# KiCad board cm4-baseboard.kicad_pcb (continued)
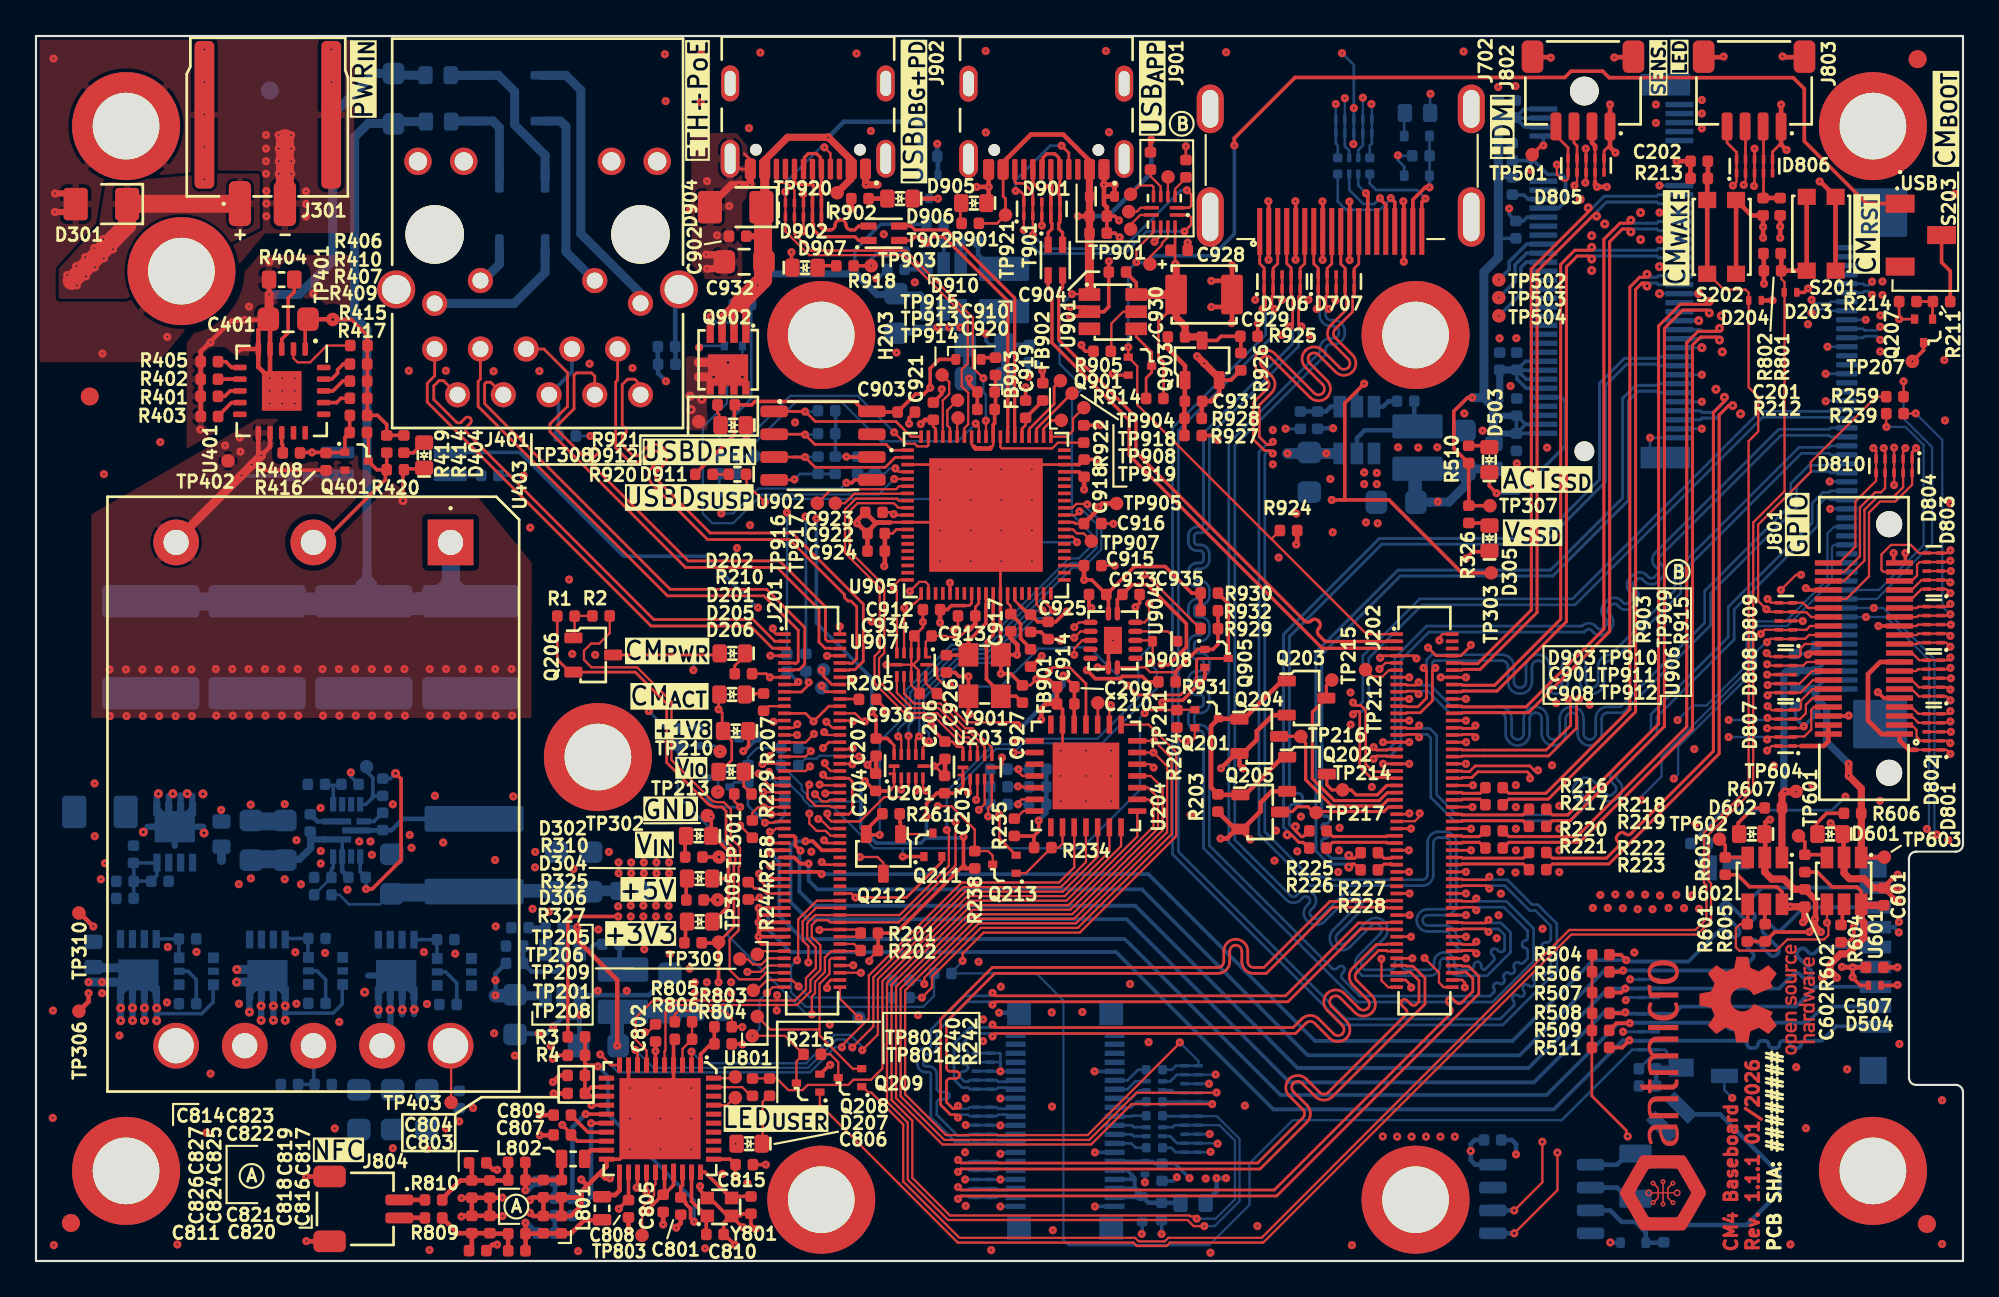
[diagram p0: board, top side]
## Routing (per net, layer and track width the routed paths; a pad name or vN(x,y) marks a point on that pad's centre or on a via; arc(x,y) is an arc through that point) (continued)
/Supply/FB_3V3: length 2.2
  Bottom w0.254: 28.29,18.5 27.36,18.5 ; U302.4 28.29,18.55
/Supply/FB_5V: length 2.6
  Bottom w0.15: R316.1 16.41,21.29
  Bottom w0.2: 16.41,21.29 16.41,21.76 16.5,21.85 U303.12
/Supply/FB_M2: length 2.3
  Bottom w0.254: 70.21,47.16 71.62,47.16 71.89,47.43 U301.4
/Supply/OUT_3V3: length 14.4
  Top w0.254: v1(32.27,11.95) 32.27,15.6 30.07,17.81 30.07,18.53
  Bottom w0.254: 29.29,18.53 30.07,18.53
  Bottom w0.6: 35.2,13.82 R323.1
  Bottom w0.75: v1(32.27,11.95) 32.27,13.51 L302.2 35.19,13.83
  vias: v1(30.06,18.54)
/Supply/OUT_5V: length 16.3
  Bottom w0.15: 19.75,20.45 19.1,19.8 17.38,19.8 16.85,20.32 16.41,20.32
  Bottom w0.6: R324.1 30.8,20.55
  Bottom w0.75: 24.37,20.55 30.8,20.55
  Bottom w1: 19.75,20.45 24.27,20.45
/Supply/OUT_M2: length 18.3
  In3.Cu w0.254: v1(72.02,46.22) 73.12,46.22 77.2,42.15 v1(77.84,42.15)
  Bottom w0.254: v1(72.02,46.22) 71.19,46.22
  Bottom w0.5: 76.58,42.12 77.41,42.12 77.42,42.13 78.45,42.13 79.38,43.05 79.38,43.97 80.94,43.97
  Bottom w0.75: 76.58,42.12 76.58,43.81 ; 79.38,43.97 76.76,43.97
/Supply/SW_3V3: length 1.2
  Bottom w0.254: 32.4,17.58 32.4,16.37
/Supply/SW_5V: length 6.8
  Bottom w0.254: U303.8 19.23,23.9 ; L303.1 20.37,24.54 19.74,23.92 19.25,23.92
/Supply/SW_M2: length 5.6
  Bottom w0.254: 76.75,46.12 73.78,46.12 73.35,45.68 U301.2 ; 76.53,47.72 76.53,46.55
/Supply/V_{BUS}: length 71.4
  Top w0.5: v2(36.79,49.08) 37.62,49.08 v2(37.62,49.07) ; 37.62,49.88 37.62,49.88 v2(36.79,49.88)
  In3.Cu w1.75: 12.12,15.88 17.18,15.88 25.24,23.94 32.99,23.94 35.27,26.22 35.27,46.78 37.92,49.42 39,49.42
  Bottom w0.2: 17,15.35 17,14.26 16.5,13.76 13.81,13.76
  Bottom w0.35: v2(11.85,13.82) 11.85,14.85 Q306.5 ; Q306.5 13.18,15.52 v2(13.18,13.36) ; Q306.5 12.5,15.5 v2(12.5,13.36) ; Q306.5 13.84,14.86 v2(13.84,13.36)
  Bottom w0.5: v2(11.15,16.18) 11.95,16.18 12.05,16.28 ; v2(11.14,15.48) 12.04,15.48
  vias: v2(12.5,14.16) v2(13.18,14.16) v2(13.84,14.16) v2(36.31,48.01) v2(36.38,47.26) v2(36.97,47.83) v2(38.42,49.88) v2(39.22,49.07)
/USB/AD_N: length 6.8
  Top w0.182: J901.A7 55.91,60.66 55.91,61.25 56.12,61.46 56.58,61.46 56.79,61.25 56.79,60.66 J901.B7 56.85,59.74 56.79,59.68 56.79,59.21 56.85,59.15 D901.6 D901.5 56.85,57.66 56.79,57.6 56.79,57.3 57,57.09 T901.4
/USB/AD_P: length 6.4
  Top w0.182: 56.39,59.69 56.35,59.74 J901.A6 ; 56.39,59.69 56.19,59.69 55.97,59.47 55.72,59.47 55.35,59.85 J901.B6 ; 56.39,59.69 56.41,59.68 56.41,59.21 56.35,59.15 D901.7 D901.4 56.35,57.66 56.41,57.6 56.41,57.3 56.2,57.09 T901.1
/USB/BDBUS0: length 18.9
  Top w0.127: U905.19 47.96,37.81 47.62,37.47 v1(47.62,37.42) 47.8,37.24 U907.5 ; U904.2 57.91,35.45 v1(57.65,35.19)
  In2.Cu w0.127: v1(57.65,35.19) 57.59,35.19 57.25,34.85 53.96,34.85 53.49,34.38 49.76,34.38 48.84,35.3 48.84,36.9 48.95,37.02 48.95,37.33 48.58,37.7 47.9,37.7 v1(47.62,37.42)
/USB/BDBUS1: length 16.3
  Top w0.127: U905.20 49.15,36.86 48.78,36.5 48.46,36.5 v1(48.21,36.25) 48.2,36.24 U907.4 ; U904.3 58,34.95 v1(57.65,34.6)
  In2.Cu w0.127: v1(57.65,34.6) 57.64,34.6 57.07,34.03 56.73,34.03 56.15,34.6 54.06,34.6 53.6,34.13 49.62,34.13 48.21,35.54 v1(48.21,36.25)
/USB/BDBUS2: length 16.2
  Top w0.127: U905.21 49.55,37.54 49.39,37.7 49.05,37.7 v1(48.52,37.17) ; v1(57.65,33.65) 57.65,34 58.1,34.45 U904.4
  In2.Cu w0.127: v1(57.65,33.65) 57.52,33.78 56.62,33.78 56.05,34.35 54.17,34.35 53.7,33.88 49.37,33.88 47.8,35.45 47.8,36.45 v1(48.52,37.17)
/USB/DD_N: length 9.1
  Top w0.182: J902.A7 42.68,60.68 42.68,61.27 42.89,61.48 43.34,61.48 43.55,61.27 43.55,60.68 J902.B7 43.61,59.75 43.55,59.69 43.55,59.19 43.61,59.13 D902.6 D902.5 43.61,57.61 43.55,57.54 43.55,57.41 43.72,57.24 44.1,57.24 arc(44.3,57.32) 44.38,57.51 arc(44.46,57.71) 44.65,57.79 44.7,57.79 arc(44.9,57.71) 44.98,57.51 arc(45.06,57.32) 45.25,57.24 45.46,57.24 45.67,57.45 T902.4
/USB/DD_P: length 8.5
  Top w0.182: J902.A6 43.11,59.75 ; 43.11,59.75 43.17,59.69 43.17,59.19 43.11,59.13 D902.7 D902.4 43.11,57.61 43.17,57.55 43.17,57.25 43.56,56.86 45.47,56.86 45.69,56.65 T902.1 ; 43.11,59.75 42.3,59.75 42.11,59.94 J902.B6
/USB/EECLK: length 8.5
  Top w0.15: U905.1 47.52,45.01 47.2,45.33 43.24,45.33 42.68,45.89 ; U902.2 42.68,45.89 ; 42.68,45.89 v1(42.7,45.88)
  Bottom w0.15: v1(42.7,45.88) 43.41,45.88
/USB/EECS: length 10
  Top w0.15: v1(42.7,47.15) 42.69,47.16 42.19,47.16 ; U905.76 48.6,45.76 47.75,46.6 43.27,46.6 42.71,47.16 42.19,47.16 ; 42.19,47.16 U902.1
  Bottom w0.15: v1(42.7,47.15) 43.39,47.15
/USB/EEDATA: length 9.2
  Top w0.15: U902.3 42.11,44.63 ; 42.11,44.63 42.11,44.62 v1(42.7,44.62) ; 42.11,44.63 42.7,44.63 43.27,44.06 47.16,44.06 47.71,44.61 U905.2
  Bottom w0.15: v1(42.7,44.62) 43.41,44.62
/USB/EN_FTDI: length 2.1
  Bottom w0.2: 50.41,57.55 50.41,55.41
/USB/FB_FTDI: length 2.3
  Bottom w0.254: U903.4 49.1,55.05 48.23,55.05 48.23,56
/USB/I2C_EN: length 19.6
  Top w0.127: U905.24 v1(50.75,37.65)
  Top w0.2: R931.2 61.72,32.15 61.42,32.45 60.32,32.45 60.2,32.33 58.82,32.33 v1(58.35,32.8)
  In2.Cu w0.127: v1(58.35,32.8) 58.35,35.25 58,35.6 57.4,35.6 57,35.2 53.95,35.2 53.39,34.64 50.41,34.64 49.7,35.35 49.7,36.6 v1(50.75,37.65)
/USB/OUT_FTDI: length 17.9
  Top w0.2: 45.41,55.24 46.37,55.24
  In2.Cu w0.2: v1(52.75,51.47) 52.75,51.57 49.08,55.25 v1(46.38,55.25)
  Bottom w0.2: 47.27,56 46.75,56 46.38,55.62 v1(46.38,55.25) ; v1(52.75,51.47) 52.75,51.07 52.97,50.85 53.75,50.85
  Bottom w0.254: 55.15,50.86 53.76,50.86
  Bottom w0.35: 53.75,51.72 L901.2 ; 53.75,51.72 53.75,50.85 ; 53.75,51.72 53.76,51.71 53.76,48.98
/USB/SW_FTDI: length 1.8
  Bottom w0.254: 52.31,56.58 52.31,55.87 53.1,55.08
/USB/USB_1V2: length 47.4
  Top w0.15: 58.19,40.93 57.7,40.93 57.62,41.01 U905.47 ; 54.67,36.34 54.35,36.66 U905.33 ; 51.6,36.38 51.82,36.38 51.95,36.51 U905.27 ; 47.01,41.56 47.52,41.56 v1(47.62,41.46) 47.67,41.41 U905.10 ; 49.83,46.69 49.83,46.32 49.95,46.2 U905.74
  Top w0.2: 55.09,35.92 54.67,36.34 ; 55.22,35.88 55.62,35.48 56.62,35.48 57.19,36.05 v1(57.25,36.05) ; 50.21,36.16 50.6,36.16 50.83,36.38 51.6,36.38
  Top w0.254: 58.19,40.93 59,41.74 v1(59,41.85) 59.2,42.05 TP905.1 ; 49.83,46.69 49.36,46.69 v1(49.12,46.46) ; v1(50.2,35.43) 50.2,36.15
  In2.Cu w0.254: v1(59,41.85) 57.15,40 57.15,36 57.25,35.9 57.25,37.12 57.12,37.25 51.97,37.25 ; v1(57.25,36.05) 56.78,35.58 50.35,35.58 v1(50.2,35.43) ; v1(49.12,46.46) 49.12,39.96 ; 49.12,39.96 49.89,39.96 51.97,37.88 51.97,37.25 ; 49.12,39.96 v1(47.62,41.46) ; 51.97,37.25 51.83,37.25
/USB/USB_3V3: length 102.4
  Top w0.127: v1(51.76,35.11) 51.29,34.64 50.6,34.64 50.54,34.7 C934.2 49.4,34.37 U907.1
  Top w0.15: U905.12 47.77,40.61 47.55,40.38 47.13,40.38 ; 52.16,35.81 52.16,36.31 52.35,36.5 U905.28 ; U905.54 57.67,43.81 ; U905.41 58.18,38.61
  Top w0.2: R930.1 64.17,37.07 62.7,38.55 61,38.55 59.45,37 C933.2 ; 38.77,47.49 38.77,45.86 36.61,43.7 ; D910.2 50.16,50.05 49.65,49.54 v1(49.65,48.47) 49.3,48.12 48.83,48.12 ; v1(45,44.65) 45.02,44.63 U902.6 ; C933.2 59.55,36.88 U904.1 ; C933.2 58.62,37.81 v1(58.2,37.81) ; 57.67,43.81 57.92,43.81 58.2,43.53 ; 38.81,47.53 39.74,47.53 39.92,47.71 45.46,47.71 46.01,47.16 ; 46.45,47.12 47.84,47.12 48.83,48.12
  Top w0.254: v1(55.85,33.59) 55.85,33.57 55.41,33.13 ; v1(55.87,49.42) 55.9,49.4 55.9,48.69 ; 47.13,40.38 47.13,38.61 v1(47.1,38.57) ; v1(51.76,35.11) 51.9,35.11 52.16,35.37 52.16,35.81 ; 58.2,43.53 58.2,42.81 ; v1(58.2,37.81) 58.19,37.82 58.19,38.6 ; R932.2 R930.1
  In3.Cu w0.2: 48.19,39.66 48.24,39.71 48.24,44.51 48.1,44.65 ; v1(47.1,38.57) 48.02,37.65 49.22,37.65 v1(51.76,35.11) 52.48,35.82 54.17,35.82 54.62,36.28 54.65,36.28 57.35,38.98 57.35,42.56 57.6,42.81 54.38,46.03 49.97,46.03 49.72,46.28
  In3.Cu w0.4: v1(47.1,38.57) 48.19,39.66 ; v1(55.85,33.59) 54.62,34.82 54.62,36.28 ; v1(55.87,49.42) 55.74,49.56 50.65,49.56 49.75,48.66 49.75,48.47 49.72,48.45 49.72,46.28 48.1,44.65 v1(45,44.65) ; 57.6,42.81 58.2,42.81 58.2,42.8 ; v1(58.2,37.81) 57.19,38.82
  Bottom w0.2: 44.42,44.66 44.99,44.66 v1(45,44.65) 45.54,44.65 ; 44.38,44.67 44.38,45.92 ; 44.4,47.19 44.4,45.96
  Bottom w0.254: v1(55.87,49.42) 55.87,49.6 55.58,49.89 55.15,49.89 55.1,49.84 v1(55.1,49.07)
  vias: v1(58.2,42.82)
/USB/USBA_CC1: length 19.9
  Top w0.127: D901.1 v1(54.85,57.24)
  Top w0.15: D901.1 D901.10 54.85,59.17 54.62,59.4 v1(54.4,59.4) ; J901.A5 57.35,61.51 v1(56.95,61.91) ; 63.38,58.07 64,58.07 64.15,57.91 64.15,57.53 v1(63.77,57.15)
  Bottom w0.15: v1(54.4,59.4) 54.4,60 56.31,61.91 v1(56.95,61.91) ; v1(63.77,57.15) 61.67,57.15 60.45,55.92 55.75,55.92 54.85,56.83 v1(54.85,57.24)
/USB/USBA_CC2: length 16.3
  Top w0.127: v1(55.35,56.95) D901.2
  Top w0.15: J901.B5 54.35,59.9 54.42,59.83 54.84,59.83 55.35,59.32 D901.9 55.35,58.02 ; U906.2 64.03,58.47 64.15,58.59 64.15,59.2 v1(63.91,59.44)
  Bottom w0.15: v1(55.35,56.95) 56.1,56.2 60.34,56.2 63.58,59.44 v1(63.91,59.44)
/USB/USBA_OUT_EN: length 4.1
  Top w0.15: 61.64,48.1 61.64,49.01 61.95,49.33 Q901.3 61.95,50.45 61.09,51.31 U901.4
/USB/USBD.D_N: length 15.8
  Top w0.182: T902.3 48.6,57.45 48.81,57.24 50.55,57.24 54.34,53.45 54.34,46.3 54.35,46.28 U905.63
/USB/USBD.D_P: length 15.8
  Top w0.182: T902.2 48.6,56.65 48.81,56.86 49.01,56.86 arc(49.15,56.8) 49.21,56.66 49.21,56.58 arc(49.27,56.43) 49.41,56.38 arc(49.55,56.43) 49.61,56.58 49.61,56.66 arc(49.67,56.8) 49.81,56.86 50.4,56.86 53.96,53.3 53.96,46.3 53.95,46.28 U905.64
/USB/USBD_CC1: length 26
  Top w0.127: 41.61,57.86 41.61,57.16 42.93,55.84 48.19,55.84 51.74,52.29 51.74,49.83 51.4,49.49 51.4,48.56 51.76,48.2 51.76,46.45 51.55,46.24 U905.70 ; J902.A5 44.11,61.48 v1(43.77,61.82) ; D902.1 D902.10 41.61,59.32 41.6,59.34
  Bottom w0.127: v1(43.77,61.82) 43.57,61.82 41.6,59.85 v1(41.6,59.35)
/USB/USBD_CC2: length 23
  Top w0.127: U905.67 52.75,46.64 v1(52.74,46.65) ; D902.9 42.11,59.44 41.7,59.85 41.2,59.85 41.11,59.94 J902.B5 ; 42.11,57.86 42.11,57.01 43.03,56.09 48.29,56.09 52.02,52.36 52.02,49.59 v1(52.61,49.01) ; D902.2 42.11,58.77
  Bottom w0.127: v1(52.74,46.65) 52.74,48.09 52.61,48.22 v1(52.61,49.01)
/USB/USBD_IN_EN: length 22.8
  Top w0.127: U905.5 v1(47.65,43.41)
  Bottom w0.127: v1(47.65,43.41) 46.79,42.55 40.3,42.55 38.71,40.96 37.55,40.96 37.03,41.48 37.03,46.29 38.37,47.63 38.37,49.05 39.22,49.91 Q904.1
/USB/USBD_SVBUS: length 19
  Top w0.127: v1(52.18,46.48) 52.35,46.31 U905.68
  Bottom w0.127: v1(52.18,46.48) 51.2,45.5 46.92,45.5 44.64,47.78 42.27,47.78 39.88,45.38 TP902.1
  Bottom w0.15: 39.86,44.66 38.91,44.66 38.91,42.73
/USB/USBD_VBUS: length 56.6
  Top w0.35: 39.44,56.89 40.34,56.89 40.37,56.86
  Top w0.4: 39.41,52.23 39.41,53.52 39.5,53.6 ; 39.41,52.23 Q902.1 ; 39.41,52.23 39.41,52.61 38.86,53.17 38.75,53.06 38.75,51.67 ; TP920.1 45.26,60.08 J902.A4 45.26,61.11 44,62.38 41.73,62.38 40.47,61.11 J902.A9 ; 38.86,53.18 38.09,52.41 Q902.3
  Top w0.5: J902.A9 40.47,59.02
  Top w1: D904.1 40.37,58.41 40.37,55.47 ; 40.37,55.47 40.44,55.47 40.45,55.48 ; 40.37,55.47 40.37,54.47 v1(40.06,54.16) 39.07,53.17
  Bottom w0.15: v1(40.06,54.16) 39.71,53.81 39.71,47.86 37.94,46.09 R916.1
  Bottom w0.2: 45.61,54.74 45.46,54.89 45.46,56.11 46.9,57.55 49.44,57.55
  Bottom w0.254: R933.1 44.86,63.25 v1(43.98,62.37)
  Bottom w0.35: U903.3 49.45,53.3 49.1,53.65 47.75,53.65
  Bottom w0.4: v1(40.06,54.16) 40.7,54.8 45.55,54.8 46.7,53.65 47.75,53.65
/USB/VREGIN: length 3.6
  Top w0.15: 54.12,35.92 54.12,36.35 53.95,36.53 U905.32
  Top w0.2: 55.22,34 54.67,34.56 54.67,35.37 54.12,35.92
V_{IO}: length 52.3
  Top w0.127: 37.88,26.14 37.85,26.12 TP213.1 ; v1(42.89,16.57) 42.89,17.48 42.57,17.79 42.57,18.86 43.31,19.6 J201.78 ; v1(46.27,16.65) 46.27,16.75 46.75,17.23 ; U201.12 U201.1 47.65,26.36 47.49,26.21
  Top w0.15: 51.25,26.12 51.47,26.35 U203.1 U203.12 ; 51.09,25.97 50.45,25.97
  Top w0.2: v1(46.02,26.64) 46.57,26.09 ; 51.33,21.79 47.74,18.2 46.75,18.2 46.75,17.23 ; 51.33,21.79 51.6,21.79 ; 51.33,21.79 51.5,21.96 ; 46.62,26.09 47.38,26.09 47.49,26.21 ; 50.02,25.97 50.45,25.97 ; 50.02,25.97 49.45,25.4 v1(49.45,24.68) ; 50.02,25.97 51.09,25.97 51.25,26.12 ; 51.6,21.79 52.12,21.79 51.67,21.79 51.5,21.96 ; 51.6,21.79 51.6,21.86 51.5,21.96 ; 51.5,21.96 v1(51.5,23.55)
  In2.Cu w0.127: v1(42.89,16.57) 43.14,16.83 46.09,16.83 v1(46.27,16.65)
  Bottom w0.127: 49.16,23.23 49.45,23.51 51.46,23.51 v1(51.5,23.55) ; 41.36,27.5 41.36,28.47 40.04,28.47 39.53,27.97 R263.2 38.74,27.53 Q214.1 ; 41.43,27.5 42.52,26.41 42.52,26.15 42.84,25.84 42.84,25.74 43.08,25.5 45.75,25.5 45.8,25.45 ; 37.83,26.11 37.83,26.1
  Bottom w0.15: v1(37.88,26.1) 37.88,26.66 Q214.1
  Bottom w0.2: v1(46.02,26.64) 45.8,26.41 45.8,25.2 ; 49.45,23.51 v1(49.45,24.68) ; v1(51.5,23.55) 51.43,23.48 49.41,23.48 49.14,23.2 46.66,23.2 45.8,24.06 45.8,25.2 ; 45.8,25.2 45.8,25.45
Net-(BT801-+): length 15.2
  Bottom w0.254: BT801.1 91.72,8.14 93.51,8.14 96.81,4.84 96.81,3.82 94.99,2 R811.1
Net-(C403-Pad1): length 23
  In2.Cu w0.2: J401.19 35.7,52.68 34.88,51.86 20.59,51.86 20,52.44 J401.20
  Bottom w0.254: 35.51,49.78 35.51,50.75 ; 35.49,50.76 35.49,53.73
Net-(C811-Pad2): length 6
  Top w0.254: C826.2 C824.2 25.23,1.52 C821.2 ; C826.2 24.2,0.73 C811.2 ; C826.2 23.4,1.54 22.56,2.39 R809.1 ; 26.22,1.52 26.22,0.57
Net-(C812-Pad2): length 1
  Bottom w0.254: 28.81,1.55 28.81,2.52
Net-(C813-Pad2): length 0.9
  Bottom w0.254: 28.82,3.47 28.82,4.42
Net-(C814-Pad2): length 6.2
  Top w0.254: C827.1 23.57,4.47 22.55,3.46 R810.1 ; C827.1 24.2,5.29 C814.2 ; C827.1 C825.1 26.2,4.47 C822.2 26.22,5.47 C823.1
Net-(C816-Pad2): length 7
  Top w0.254: v1(27.17,2.12) 27.18,2.12 27.18,1.52 ; 28.17,1.53 29.71,1.53 30.44,2.26 31.41,2.26 L801.2 ; 27.18,1.52 28.16,1.52 ; 27.18,1.52 27.18,0.57
  Bottom w0.254: v1(27.17,2.12) 27.27,2.12 27.84,1.55
Net-(C817-Pad1): length 5.7
  Top w0.254: 27.18,5.49 27.18,4.49 ; 27.18,4.49 28.17,4.49 ; 27.18,4.49 27.18,3.93 v1(27.17,3.92) ; 28.17,4.5 29.17,4.5 29.17,5.75
  Bottom w0.254: v1(27.17,3.92) 27.34,3.92 27.84,4.42
Net-(D201-C): length 1
  Top w0.15: 39.4,31.45 39.92,31.45 39.98,31.51 40.4,31.51
Net-(D202-A): length 6
  Top w0.15: D202.2 37.88,33.64 Q206.3
Net-(D202-C): length 1.4
  Top w0.15: R210.2 38.8,33.05 39.37,33.62 D202.1
Net-(D203-A): length 106.5
  Top w0.127: 98.3,54.95 97.09,54.95 ; Q208.1 43.52,8.68 47.9,4.31 47.9,4.31 51.18,1.03 51.19,1.02 60.94,1.02 61.12,0.83 62.78,0.83 62.96,1.02 68.09,1.02 68.09,1.03 68.15,1.03 85.25,18.12 92.25,18.12 93.01,18.88 93.01,20.96 93.01,20.96 92.88,21.09 92.88,23.67 95.35,26.15 95.35,40.99 97.09,42.73 97.09,54.34 96.91,54.52 96.91,54.97
  Top w0.254: 96.91,55.9 96.91,54.97 S201.4 S201.3
Net-(D204-A): length 104.9
  Top w0.127: 45.91,9.67 46.23,9.35 46.38,9.35 48.15,7.58 48.15,4.41 51.28,1.28 61.03,1.28 61.23,1.09 62.67,1.09 62.87,1.28 68.05,1.28 85.14,18.38 92.14,18.38 92.76,18.99 92.76,20.85 92.62,20.99 92.62,23.78 95.1,26.25 95.1,45.52 95.63,46.05 95.63,47.97 95.1,48.5 95.1,53.75 94.92,53.92 93.72,53.92 92.85,54.8
  Top w0.254: S202.4 S202.3 92.8,60.1 ; 92.83,60.1 92.83,61.05
Net-(D205-C): length 2.2
  Top w0.2: 39.58,29.4 39.58,28.6 v1(39.27,28.3)
  Bottom w0.2: v1(39.27,28.3) 39.35,28.3 40.01,28.96
Net-(D206-C): length 1.3
  Top w0.15: R229.2 39.3,26.35 39.3,27.07
Net-(D207-C): length 2.8
  Top w0.127: 40.35,6.51 40.35,8.84 40.67,9.16
Net-(D301-C): length 36.9
  Top w0.254: v1(2.92,14.87) 2.92,14.4 TP306.1
  Top w1: 4.36,56.8 1.98,54.41 ; 4.36,56.8 2.6,55.03 ; 4.36,56.8 5.06,57.49 D301.1 5.08,58.69 11.31,58.69
  In3.Cu w1: 2.45,54.92 2.47,54.92 3.84,56.29
  Bottom w0.2: 6.76,13.73 9.2,13.73 9.84,14.36 9.84,15.33
  Bottom w0.35: v2(4.7,13.34) 4.7,14.89 Q304.5 ; Q304.5 6.7,14.86 6.7,14.49 6.7,14.49 6.7,14.04 v2(6.7,14.04) v2(6.7,13.34) ; Q304.5 5.36,15.55 v2(5.36,13.35) ; Q304.5 6.02,15.54 v2(6.02,13.35)
  Bottom w0.5: 4.88,15.47 3.67,15.47 v1(3.67,15.48) v1(2.92,15.48) ; 4.88,16.28 3.67,16.28 3.67,16.27 2.94,16.27 2.93,16.26
  vias: v1(1.73,54.73) v1(2.23,55.23) v1(2.27,54.16) v1(2.73,55.73) v1(2.77,54.66) v1(3.23,56.23) v1(3.27,55.16) v1(3.73,56.73) v1(3.67,14.87) v1(3.77,55.66) v1(4.27,56.16) v2(4.7,14.04) v2(5.36,14.05) v2(6.02,14.05)
Net-(D302-A): length 1.1
  Top w0.2: 36.04,22.42 36.04,23.57
Net-(D304-A): length 1.1
  Top w0.2: 36.1,21.19 36.1,20.04
Net-(D305-A): length 1.1
  Top w0.2: 79.61,40.97 80.67,40.97
Net-(D306-A): length 1.2
  Top w0.2: 36.06,17.65 36.06,18.81
Net-(D401-Pad1): length 9.4
  Bottom w0.5: D402.1 28.27,61.38 26.57,63.08 26.57,64.92 25.68,65.82 D401.1 23.22,65.82
Net-(D401-Pad2): length 5.5
  Bottom w0.5: 23.27,63.28 D401.2 25.37,63.28 25.73,62.92 D402.2
Net-(D404-A): length 1.3
  Top w0.2: 21.55,45.45 20.96,44.87 20.45,44.87
Net-(D503-A): length 1.1
  Top w0.2: 79.55,45.26 80.66,45.26
Net-(D503-C): length 10
  Top w0.2: 80.7,43.72 80.7,43.03 v1(81.1,42.62)
  Bottom w0.2: v1(81.1,42.62) 82.3,42.62 84.92,45.25 84.92,47.72 84.7,47.95 J501.10
Net-(D601-A): length 2.3
  Top w0.2: 100.39,24.85 99.42,24.85 98.87,24.29 98.87,23.7
Net-(D602-A): length 2.4
  Top w0.2: 94.52,23.7 94.52,24.32 95.35,25.15 95.98,25.15
Net-(D709-C): length 9.6
  Bottom w0.2: J701.10 60.6,5.03 60.85,4.77 ; 60.85,4.77 61,4.62 61,4.53 ; 60.85,4.77 60.82,4.74 60.82,4.53 ; 61,4.53 61,4.1 61.42,3.67 ; 61,4.53 61,4.06 60.97,4.03 ; 61,4.53 60.82,4.53 ; 60.97,3.53 61.1,3.65 61.1,3.9 60.97,4.03 ; 60.97,3.53 J701.4 ; 60.97,3.53 61.38,3.53 ; J701.8 60.82,4.53 ; 60.97,4.03 J701.6
  Bottom w0.254: 63.44,3.22 62.51,3.22 ; D709.1 61.77,3.23 62.5,3.23
Net-(D710-A): length 1.2
  Bottom w0.15: D710.2 75.98,63.66
Net-(D710-C): length 5.8
  Top w0.2: J702.18 76.45,58.91 77.14,59.6 v1(77.38,59.6)
  Bottom w0.15: 77.38,61.35 77.38,60.26 ; D710.1 77.38,61.36
  Bottom w0.2: v1(77.38,59.6) 77.38,60.22
Net-(D811-C): length 5.2
  Bottom w0.254: R811.2 90.36,1.02 D811.1 89.38,1.6 88.81,2.17 88.05,2.17 87.41,2.81 U802.3
Net-(D905-A): length 1.1
  Top w0.15: 51.33,57.66 51.33,58.72
Net-(D906-A): length 1
  Top w0.254: R902.1 D906.2
Net-(D906-C): length 1.9
  Top w0.254: D906.1 v1(50.08,58.97)
  Bottom w0.254: Q906.3 v1(50.08,58.97)
Net-(D907-A): length 1
  Top w0.2: 43.45,55.25 44.43,55.25
Net-(D908-C): length 2.6
  Top w0.127: U904.12 62.85,34.95 D908.1
Net-(D910-C): length 0.8
  Top w0.2: FB903.1 52.57,50.15 D910.1
Net-(D911-A): length 0.9
  Top w0.15: 38.44,43.67 37.58,43.67 37.58,43.67
Net-(D911-C): length 21.2
  Top w0.127: U905.45 57.57,40.21 57.8,39.97 v1(57.8,39.9) ; 39.46,43.67 39.46,43.13 v1(40.47,42.12)
  Bottom w0.127: v1(57.8,39.9) 51.97,39.9 49.57,42.3 40.65,42.3 v1(40.47,42.12)
Net-(D912-A): length 1.2
  Top w0.15: 37.92,46.4 37.92,47 37.84,47.09 37.84,47.53
Net-(D912-C): length 13.6
  Top w0.127: 39.42,46.4 39.44,46.38 v1(39.44,45.59) ; U905.75 49.55,45.28 49.49,45.22 48.94,45.22 48.79,45.37 48.28,45.37 v1(47.65,46)
  Bottom w0.127: v1(39.44,45.59) 41.88,48.03 45.62,48.03 v1(47.65,46)
Net-(J201-Pad21): length 1.3
  Top w0.127: 40.4,30.54 40.66,30.8 J201.21
Net-(J201-Pad73): length 2.3
  Top w0.15: R244.2 39.91,20.67 40.28,20.67 40.56,20.4 J201.73
Net-(J201-Pad76): length 16.7
  Top w0.127: J201.76 43.36,20 42.32,18.96 42.32,16.76 v1(42.26,16.69)
  Bottom w0.127: 49.86,15.96 49.86,14.71 49.26,14.11 42.74,14.11 41.92,14.92 41.92,16.36 v1(42.26,16.69)
Net-(J401-LED_GRN-): length 32.4
  In2.Cu w0.15: J401.16 32.95,60.05 34.05,60.05 37.54,56.56 37.54,56.55 38.14,55.94 ; v1(42.72,41.32) 42.72,41.76 40.22,44.26 40.22,50.01 39.2,51.04 39.2,54.9 38.16,55.94
  Bottom w0.15: 42.75,33.71 42.75,41.3 v1(42.72,41.32)
Net-(J401-LED_YEL-): length 42.6
  In2.Cu w0.15: v1(41.7,41.55) 39.95,43.3 39.95,49.9 38.92,50.92 38.92,54.77 37.68,56.01 37.68,56.02 37.42,56.28 37.41,56.28 33.92,59.77 22.48,59.77 J401.18
  Bottom w0.127: 41.7,33.69 v1(41.7,41.55)
Net-(J401-P4): length 5.6
  Bottom w0.2: J401.4 29.76,49.35 J401.5 29.02,47.56 29.02,45.8
Net-(J501-ALERT): length 3.6
  Bottom w0.2: v1(81.22,54.47) 81.8,55.04 81.8,55.47 82.77,56.45 J501.44
Net-(J501-SMB_CLK): length 4.6
  Bottom w0.2: J501.40 82.75,55.45 82.45,55.15 82.45,53.68 v1(81.23,52.47)
Net-(J501-SMB_DATA): length 4
  Bottom w0.2: J501.42 82.77,55.95 82.12,55.3 82.12,54.38 v1(81.22,53.47)
Net-(J501-SUSCLK): length 1.4
  Top w0.2: TP501.1 83.59,61.92 v1(83.7,61.92)
  Bottom w0.2: J501.68 83.7,61.93 v1(83.7,61.92)
Net-(J501-~{PEWAKE}): length 1.8
  Bottom w0.2: 81.99,59.17 82.62,59.17 82.85,58.95 J501.54
Net-(J502-CD1): length 1.3
  Bottom w0.254: 92.83,23.17 92.83,21.83
Net-(J502-CD2): length 2.4
  Bottom w0.254: J502.10 90.02,10.73 R505.1 R513.1
Net-(J804-Pad1): length 1.3
  Top w0.254: 20.25,3.39 21.59,3.39
Net-(J804-Pad2): length 1.3
  Top w0.254: 20.25,2.4 21.58,2.4
Net-(Q201-D): length 12.9
  Top w0.254: 65.65,30.1 66.8,30.1 ; Q205.1 65.66,25.88 65.25,26.29 65.25,29.7 Q201.3 ; 69.23,27.98 67.13,25.88 ; 67.05,30.08 69.18,32.2
Net-(Q206-G): length 2.2
  Top w0.127: Q206.1 29.91,34.66 R1.1 29.91,35.81 R2.2
Net-(Q207-G): length 1.9
  Top w0.15: Q207.1 105.31,53.24 ; 105.33,53.26 104.42,53.26
Net-(Q209-D): length 2
  Top w0.127: 43.58,11.47 44.1,11.47 44.55,11.03 Q209.3
Net-(Q210-D): length 1
  Bottom w0.15: Q210.3 39.04,29.1
Net-(Q211-D): length 2.9
  Top w0.127: Q212.1 49.75,23.7
  Top w0.2: Q212.1 48,24.33 47.96,24.38 47.96,24.82
Net-(Q214-D): length 4.1
  Top w0.15: R229.1 38.77,25.53 v1(39.1,25.2)
  Bottom w0.15: Q214.3 37.23,25.67 37.7,25.2 v1(39.1,25.2)
Net-(Q301-BIAS): length 2.3
  Bottom w0.2: 7.94,16.83 7.94,17.87 ; 7.93,17.88 6.68,17.88
Net-(Q301-REF): length 2.5
  Bottom w0.2: 8.9,14.28 8.9,15.62 8.44,16.08 7.94,16.08
Net-(Q302-BIAS): length 2.3
  Bottom w0.2: Q305.4 22.27,17.84 22.27,16.8
Net-(Q302-REF): length 2.6
  Bottom w0.2: 23.36,14.24 23.36,15.43 22.75,16.04 22.25,16.04
Net-(Q303-BIAS): length 2.2
  Bottom w0.2: 15.11,17.9 13.89,17.9 ; 15.1,16.85 15.1,17.78
Net-(Q303-REF): length 2.5
  Bottom w0.2: 16.08,14.3 16.08,15.62 15.6,16.1 15.1,16.1
Net-(Q307-G): length 5.3
  Bottom w0.2: Q307.4 6.71,21.41 6.4,21.09 5.44,21.09 ; 6.69,22.1 5.42,22.1 5.42,20.18
Net-(Q902-G): length 3.4
  Top w0.15: v1(37.45,52.42) 37.44,52.41 Q902.4
  Bottom w0.15: 38.72,53.08 Q904.3 37.77,52.1 v1(37.45,52.42)
Net-(Q903-G): length 5.8
  Top w0.254: 63.77,45.82 63.77,47.7 ; Q903.1 63.8,49.7 62.84,50.66 62.84,51.3 ; 63.79,47.72 63.79,48.89
Net-(Q905-D): length 24.9
  Top w0.127: v1(50.75,31.95) 50.45,31.95 50.04,32.36 50.04,32.91 49.85,33.1 U907.12
  Top w0.15: Q905.3 64.54,33.45 64.44,33.35 64.44,32.32 63.55,31.42 61.12,31.42 v1(60.6,31.95)
  Top w0.2: Q905.3 66.2,36.5 R930.2
  Bottom w0.127: v1(50.75,31.95) 50.81,31.89 53.59,31.89 53.59,31.91 55.67,34 57.1,34 57.16,34.06 58.49,34.06 v1(60.6,31.95)
Net-(Q905-G): length 8.8
  Top w0.127: U904.8 61.6,32.95 61.87,32.69 63.24,32.69 63.28,32.73
  Top w0.2: R932.1 R929.1 65.63,34.23 65.35,33.95 Q905.1 64.5,33.95 63.28,32.73 R931.1
Net-(Q906-G): length 2
  Bottom w0.254: Q906.1 R933.2
Net-(R211-Pad1): length 3.9
  Top w0.2: S203.2 105.81,55.43 106.3,54.95 106.3,53.26
Net-(R418-Pad2): length 1.6
  Bottom w0.2: 15.11,43.6 16.73,43.6
Net-(R421-Pad1): length 1.7
  Bottom w0.2: 24.71,43.6 23.02,43.6
Net-(R705-R1.1): length 1.9
  Bottom w0.15: R705.1 61.07,6.29 60.83,6.53 J701.16
Net-(R705-R2.1): length 1.8
  Bottom w0.15: J701.18 60.85,7.03 60.95,6.92 R705.2
Net-(R705-R3.1): length 1.8
  Bottom w0.15: J701.20 60.85,7.53 60.95,7.42 R705.3
Net-(R705-R4.1): length 1.8
  Bottom w0.15: J701.22 60.85,8.03 60.88,8.06 R705.4
Net-(R706-R1.1): length 1.9
  Bottom w0.15: J701.24 60.8,8.53 61.11,8.84 R706.1
Net-(R706-R2.1): length 1.9
  Bottom w0.15: J701.26 60.83,9.03 61.27,9.47 R706.2
Net-(R706-R3.1): length 1.9
  Bottom w0.15: R706.3 61.05,9.97 60.6,9.53 J701.28
Net-(R706-R4.1): length 2
  Bottom w0.15: J701.30 60.6,10.03 61.19,10.61 R706.4
Net-(U204-A0): length 2.3
  Top w0.127: U204.11 54.77,26.92 54.55,27.16 v1(54.55,27.3)
  Bottom w0.127: 53.94,27.31 54.53,27.31 v1(54.55,27.3) 55.13,27.3
Net-(U204-A1): length 2.1
  Top w0.127: U204.12 54.85,26.28 54.77,26.35 v1(54.53,26.35)
  Bottom w0.127: 53.93,26.36 54.52,26.36 v1(54.53,26.35) 55.12,26.35
Net-(U204-A2): length 2.3
  Top w0.127: U204.13 54.72,25.62 54.53,25.43 v1(54.53,25.35)
  Bottom w0.127: 53.93,25.36 54.52,25.36 v1(54.53,25.35) 55.12,25.35
Net-(U204-GPA3): length 29.8
  Top w0.127: 39.7,10.13 41.13,10.13 41.78,9.49 42.56,9.49 42.85,9.78 45.11,9.78 45.39,10.06 46.37,10.06 47,10.69 47,15.54 51.72,20.25 57.12,20.25 59.6,22.73 U204.20
Net-(U204-GPB6): length 1.2
  Top w0.15: TP211.1 58.96,29.78 U204.3
Net-(U204-~{RESET}): length 1
  Top w0.127: 54.53,24.68 54.82,24.97 U204.14
Net-(U301-BST): length 1.4
  Bottom w0.254: U301.6 74.8,47.43 75.09,47.72 75.57,47.72
Net-(U302-BST): length 1.4
  Bottom w0.254: U302.6 30.68,17.27 30.99,17.58 31.44,17.58
Net-(U303-BST): length 1.3
  Bottom w0.2: U303.7 18.77,24.4 19.25,24.88
Net-(U303-PG): length 3.2
  Bottom w0.2: 18.65,25.68 18.7,25.73 18.7,25.9 ; 18.65,25.68 18.78,25.81 ; 18.65,25.68 18.32,25.35 U303.6 ; 18.78,25.81 18.7,25.9 ; 18.78,25.81 19.25,25.81 ; 18.7,25.9 18.7,26.82 18.35,27.18
Net-(U403-TRIM): length 3
  Bottom w0.2: 15.42,11.96 15.42,9.84 ; 14.56,9.8 15.46,9.8
Net-(U601-FLG): length 2.3
  Top w0.2: 99.29,22.56 98.22,22.56 98.22,23.25 TP601.1
Net-(U601-ISET): length 1
  Top w0.2: 100.3,18.73 100.3,19.7
Net-(U602-FLG): length 2.4
  Top w0.2: TP602.1 93.8,23.09 93.8,22.41 ; U602.3 93.81,22.4
Net-(U602-ISET): length 1.1
  Top w0.2: U602.5 96,18.73
Net-(U801-ANT1): length 10.7
  Top w0.2: U801.23 33.4,4.12 v1(33.35,4.07)
  Top w0.254: 25.01,0.57 25.34,0.91 v1(25.6,0.91)
  In2.Cu w0.254: v1(25.6,0.91) 28.88,0.91 32.04,4.07 v1(33.35,4.07)
Net-(U801-ANT2): length 10.9
  Top w0.2: v1(33.9,3.81) U801.24
  Top w0.254: v1(25.61,5.06) 25.39,5.06 C814.1
  In2.Cu w0.254: v1(33.9,3.81) 33.9,4.23 33.07,5.06 v1(25.61,5.06)
Net-(U801-CLK_REQ): length 1.1
  Top w0.127: U801.40 38.7,10.15
Net-(U801-CLK_XTAL1): length 3.3
  Top w0.2: 38.59,3.49 37.15,4.92 U801.30 ; 39.7,3.58 38.68,3.58
Net-(U801-DCDC_EN): length 1.3
  Top w0.127: U801.37 38.37,8.65 38.79,9.07
Net-(U801-I2C_ADR0): length 2.4
  Top w0.2: U801.1 36.9,11.47 37.47,12.05 ; 37.66,12.05 37.66,13
Net-(U801-I2C_ADR1): length 2.6
  Top w0.127: U801.3 35.9,11.78 R806.2 R805.1
Net-(U801-RXN): length 6.1
  Top w0.2: v1(30.52,8.16) 30.52,8.15 U801.15
  Bottom w0.254: v1(30.52,8.16) 29.78,7.42 29.78,3.47
Net-(U801-RXP): length 6.4
  Top w0.2: v1(30.82,7.65) U801.16
  Bottom w0.254: v1(30.82,7.65) 30.82,3.56 29.78,2.53
Net-(U801-TVDD_IN): length 14.3
  Top w0.2: U801.22 32.9,3.38 ; U801.18 30.06,6.65 29.71,7 ; 32.84,3.38 v1(32.36,2.9) ; v1(30.85,8.65) U801.14 ; v1(29.22,7.55) 29.71,7.07
  In3.Cu w0.254: v1(32.36,2.9) 32.35,2.91 32.35,7.15 v1(30.85,8.65) 30.32,8.65 v1(29.22,7.55)
Net-(U801-TX1): length 2.1
  Top w0.254: 31.45,3.66 32.15,3.66 32.4,3.91 U801.21
Net-(U801-TX2): length 1.4
  Top w0.254: U801.19 30.81,6.15 30.41,5.75
Net-(U801-V_{DD(A)}): length 11.3
  Top w0.2: 34.9,3.76 U801.26 ; 34.8,3.68 34.14,3.02 34.14,2.86 34.11,2.84 v1(34.11,2.81) ; U801.27 35.4,4.21 34.87,3.68 34.83,3.68 ; U801.31 38.54,5.65 38.84,5.35 ; v1(38.83,4.67) 38.83,5.27
  In3.Cu w0.2: v1(38.83,4.67) 37.08,2.92 34.19,2.92 34.12,2.86 34.12,2.82 v1(34.11,2.81)
Net-(U801-V_{DD(HF)}): length 3.8
  Top w0.127: U801.25 34.4,4.26 34.31,4.17 34.31,3.63 33.65,2.97 TP803.1
Net-(U801-V_{DD(UP)}): length 20.6
  Top w0.2: v1(31.2,10.81) 31.14,10.87 30.58,10.87 ; v1(36.54,2.18) 36.34,2.37 36.34,2.91 36.08,3.17 36.08,3.25 C801.2 ; 30.48,10.77 30.48,10.97 ; 30.48,10.77 30.58,10.87 ; 30.48,10.77 C804.1 C803.2 30.83,9.65 U801.12 ; 30.48,10.97 30.48,11.41 R4.1 R3.1 ; 30.48,10.97 30.58,10.87 ; U801.28 35.9,4.2 35.8,4.1 35.8,3.53 ; 35.8,3.45 35.8,3.47
  Top w0.254: C803.2 30.63,9.15 U801.13
  Bottom w0.2: v1(31.2,10.81) 31.76,10.25 31.76,8.14 36.54,3.36 v1(36.54,2.18)
Net-(U801-V_{DD(VMID)}): length 2.2
  Top w0.2: 29.85,7.95 30.65,7.15 U801.17
Net-(U801-XTAL2): length 3.7
  Top w0.2: U801.29 36.4,3.31 37.2,2.51 37.22,2.51 ; 37.22,1.47 37.22,2.42
Net-(U802-X1): length 2.7
  Bottom w0.254: U802.1 87.8,5.35 88.41,5.96 Y802.1
Net-(U802-X2): length 2.7
  Bottom w0.254: 86.32,4.08 87.8,4.08 88.41,3.46 Y802.2
Net-(U901-ISET): length 3.1
  Top w0.127: U901.5 60.37,52.7 59.71,52.04 59.71,50.57
Net-(U902-DO): length 4.5
  Top w0.15: U902.4 42.08,43.36 v1(42.11,43.39)
  Bottom w0.127: 44.42,43.69 43.42,43.69
  Bottom w0.15: 44.38,43.69 42.41,43.69 v1(42.11,43.39)
Net-(U903-BST): length 1.2
  Bottom w0.254: 51.34,56.58 51.34,55.41
Net-(U905-GPIO0): length 3.8
  Top w0.15: TP904.1 56.53,48.52 56.53,47.57 55.15,46.19 U905.61
Net-(U905-GPIO1): length 3.2
  Top w0.15: TP918.1 57.52,48.17 55.55,46.2 U905.60
Net-(U905-GPIO2): length 1.6
  Top w0.15: U905.59 55.95,46.21 56.41,46.67 TP919.1
Net-(U905-GPIO4): length 5.4
  Top w0.127: TP916.1 44.08,42.76 45.25,42.76 45.33,42.84 47.76,42.84 47.92,43.01 U905.6
Net-(U905-GPIO5): length 4.2
  Top w0.127: TP917.1 44.91,42.07 45.44,42.59 48.38,42.59
Net-(U905-GPIO6): length 1.8
  Top w0.127: TP907.1 58.17,40.39 57.8,40.39 57.58,40.61 U905.46
Net-(U905-GPIO7): length 2.9
  Top w0.127: TP908.1 57.58,46.77 57.58,46.09 57.25,45.76 U905.58
Net-(U905-OSCI): length 4.6
  Top w0.15: U905.29 52.75,36.45
  Top w0.2: 52.75,36.45 52.75,35.39 51.78,34.42 51.78,34.11 ; 50.55,33.63 51.76,33.63
Net-(U905-OSCO): length 7.2
  Top w0.15: U905.30 53.15,36.45
  Top w0.2: 53.41,31.67 52.77,32.3 52.77,34.39 53.15,34.76 53.15,36.45 ; 54.77,30.99 54.41,31.35 Y901.3
Net-(U905-PD2_CC1): length 1
  Top w0.127: U905.71 51.15,46.75
Net-(U905-PD2_CC2): length 3.7
  Top w0.127: U905.73 50.35,47.77 50.71,48.13 50.71,48.79 TP915.1
Net-(U905-PD2_SVBUS): length 2.2
  Top w0.127: U905.72 50.75,46.24 50.6,46.38 50.6,47.22 51.06,47.67
Net-(U905-REF): length 5.4
  Top w0.127: 58.17,45.42 56.74,45.42 56.42,45.11 53.63,45.11 53.55,45.19 U905.65
Net-(U905-~{RESET}): length 3
  Top w0.127: v1(47.72,44) 47.91,43.81 U905.4
  Bottom w0.127: 45.56,43.7 46.57,43.7 TP906.1 47.13,43.72 47.41,44 v1(47.72,44)
Net-(U906-CURRENT_MODE): length 1.3
  Top w0.127: U906.3 63.25,59.51 63.85,60.11
Net-(U906-DIR): length 2.5
  Top w0.127: 62.85,57.44 62.85,56.84 62.52,56.51 62.52,56.4 61.86,55.74 TP901.1
Net-(U906-OUT1): length 1.3
  Top w0.127: 61.93,58.47 61.34,58.47 61.12,58.25 TP911.1
Net-(U906-OUT2): length 1.4
  Top w0.127: 61.93,58.07 61.32,58.07 60.78,57.53
Net-(U906-PORT): length 1.1
  Top w0.127: 62.85,59.09 62.85,60.17
Net-(U906-VBUS_DET): length 1.8
  Top w0.127: 61.93,60.61 61.88,60.56 61.88,60.22 62.45,59.65 U906.5
Net-(U906-~{VCONN_FAULT}): length 2
  Top w0.127: 62.05,59.09 62.05,59.62 61.97,59.7 61.26,59.7 TP910.1

## Copper pours and planes (outline as drawn; the poured copper is in the pictures)
+3V3 on Bottom: 37.35,14.17 37.35,13.03 38.98,13.03 38.99,15.87 36.35,15.87 36.35,14.15
+3V3 on In2.Cu: 38.55,15.97 36.67,15.97 28.26,11.3 28.93,10.12 33.61,6.9 36.56,0.03 107.05,0.05 107.05,68 81.55,68 81.55,59.7 103.15,55.27 103.1,40.95 103.08,28.57 91.9,18.95 88.4,8.1 72.37,8.08 67.5,6.6 51.93,6.6 46.17,8.75
+5V on Bottom: 32,18.77 35.55,18.72 35.55,22.38 32,22.43
+5V on In3.Cu: 29.91,20.93 29.9,24.85 33.73,29.78 37.5,51.55 37.5,68.1 96.03,68 97.63,55.47 100.71,33.39 101.82,13.19 96.21,7.58 76.52,7.58 76.52,0.06 44.15,0.07
/Ethernet/VSS on Top, Bottom, In1.Cu, In2.Cu, In3.Cu, In4.Cu: 10.89,55.87 8.37,51.72 8.36,44.27 17.42,44.25 17.46,55.84
/Supply/VCC_IN on Bottom: 4.25,19.83 2.68,18.47 2.68,17.42 6.3,17.41 6.35,18.45 9.72,18.45 9.72,16.65 10.61,16.66 11.1,17.41 13.5,17.41 13.5,18.42 16.88,18.42 16.88,16.67 18.12,16.67 18.12,17.47 20.67,17.47 20.67,18.5 24,18.5 24,16.6 24.35,16.57 24.38,18.9 20.67,19.42 17.07,20.38 10.72,20.38 10.72,23.3 9.92,23.3 9.92,22.8 7.05,22.8 7.05,21.38 6.3,21.38 6.3,20.5 5.86,19.69 4.68,19.68 4.68,20.35 4.25,20.35
GND on Top: 12.71,57.04 17.69,57.08 17.65,67.98 -0.05,68.01 -0.03,49.89 6.81,49.89
GND on Top: 39.21,54.5 39.21,58.74 39.99,59.69 39.97,61.3 38.92,62.61 36.37,62.63 36.41,55.3 37.12,54.5
GND on Bottom: 107.01,0.1 -0.04,0.1 -0.04,68.1 107.01,68.05
GND on In1.Cu, In2.Cu, In3.Cu, In4.Cu: 107,0.05 -0.05,0.05 -0.05,68.05 107,68
GND on In3.Cu: 78.55,24.91 85.58,25.1 90.9,30.5 90.9,32.46 104.83,45.54 104.92,53.38 102.83,55.47 97.05,55.47 94.01,52.51 93.5,52.68 93.35,52.47 93.73,52.07 93.73,49.35 82.39,38.16 82.36,34.04 79.88,31.53 78.55,31.53
GNDD on Top, Bottom: 15.1,46.75 12.28,46.75 3.06,41.44 3.06,30.14 27.51,30.14 27.52,38.77 24.55,42.39 20.93,42.39
GNDD on Bottom, In1.Cu, In2.Cu, In3.Cu, In4.Cu: 15.1,46.75 12.28,46.75 2.77,41.4 2.8,29.88 27.65,29.94 27.69,38.69 24.55,42.39 20.93,42.39
VCC on Bottom: 3.74,26.07 3.72,22.74 9.92,22.8 9.92,23.3 10.72,23.3 10.72,23.38 13.88,23.38 14.38,24.12 17.61,24.12 17.61,24.72 16.07,24.73 16.07,25.61 15.3,26 15.3,26.73 6.12,26.73
VCC on In2.Cu: 28.55,21.75 26.88,27.85 21.8,27.86 5.9,27.86 5.94,21.95 21.1,14.89 24.73,13.32 27.21,13.32
/Ethernet/POE_12V on Bottom: 17.47,13.31 17.47,10.98 16.13,10.4 16.12,9.51 16.76,9.51 17,8.44 22.65,8.42 22.82,9.13 24.72,9.13 24.71,13.56 24.36,13.92 24.36,15.43 24,15.43 24.01,13.77 21.23,13.78 21.25,16.04 18.27,16.04
/Ethernet/POE_12V on In2.Cu: 18.88,16.74 18,15.22 17.46,13.13 17.46,9.85 24.73,10.02 24.73,13.7 21.1,14.89 21.1,16.74
/Supply/OUT_5V on Bottom: 19.15,19.85 21.55,19.65 27.04,19.65 29.59,19.84 31.79,19.84 32.08,20.16 32.57,20.17 32.57,20.94 31.99,20.96 31.46,21.29 27.02,21.36 21.54,21.35 19.15,21.05
/Supply/SW_3V3 on Bottom: 28.9,15.8 28.9,14.07 29.6,14.07 29.6,15.28 29.77,15.4 31.22,15.5 34.02,15.5 34.02,16.85 31.22,16.85
/Supply/SW_5V on Bottom: 17,24.07 18.6,24.07 19,24.2 19.5,24.2 20.57,25.25 22.67,25.25 22.67,23.85 21.52,23.85 20.17,23.88 19.77,23.62 19,23.62 18.6,23.72 17,23.72
/Supply/SW_M2 on Bottom: 73.03,45.95 73.03,44.23 73.73,44.23 73.73,45.43 73.91,45.55 75.36,45.65 78.16,45.65 78.16,47 75.36,47
/Supply/V_{BUS} on Top: 37.28,46.12 37.28,48.52 39.48,48.52 39.48,50.22 36.08,50.22 36.08,46.12
/Supply/V_{BUS} on In3.Cu: 10.78,13.03 14.1,12.99 14.7,14.66 18.12,14.64 33.4,23.13 36.49,26.18 36.48,44.16 39.81,48.82 39.81,50.39 36.6,50.41 33.7,48.01 33.74,27.16 32.4,25.51 25.08,25.54 10.78,17.02
/USB/SW_FTDI on Bottom: 50.02,53.9 50.02,52.17 50.72,52.17 50.72,53.38 50.9,53.5 52.35,53.6 55.15,53.6 55.15,55.75 52.35,55.72
/USB/USB_1V2 on In2.Cu: 49.93,35.06 57.45,34.97 57.6,35.12 57.6,39.9 59.45,41.75 59.45,42.05 58.85,42.76 53.88,42.76 49.35,47.17 49,47.17 48.25,46.42 48.25,43.25 46.88,41.88 46.88,41.25 49.92,38.2
/USB/USB_3V3 on In3.Cu: 56.4,33.32 55.12,33.32 54.15,34.3 54.15,34.67 50.6,34.67 44.6,40.62 44.6,45.38 44.83,45.6 47.38,45.6 49.2,47.42 49.2,48.95 50.27,50.03 55.92,50.03 56.33,49.62 56.33,44.82 57.45,43.7 58.67,43.7 58.67,37.9 57.85,37.07 56.8,37.07 56.4,36.67
Net-(D301-C) on Top: 9.95,56.1 12.44,57.33 12.44,60.36 9.92,60.38 3.87,59.87 3.48,57.52 1.25,55.07 1.25,53.41 5.01,53.41
Net-(D301-C) on Bottom: 6.98,14.32 6.98,13.07 3.63,13.07 2.68,13.87 2.68,16.72 3.93,16.72 3.93,14.62 4.13,14.32
Net-(D301-C) on In2.Cu: -0.06,12.93 6.72,12.93 7.33,17.4 5.51,17.53 3.1,21.97 3.12,52.67 5.88,55.62 5.89,57.97 2.98,57.97 -0.05,56.25

## Text on the board
B.Silkscreen: DSI Adapter | M.2 | MicroSD | CSI
User.Drawings: F.Silkscreen | F.Paste | F.Mask | F.Cu | Dielectric 1 | In1.Cu | Dielectric 2 | In2.Cu | Dielectric 3  (1/2) | In3.Cu | Dielectric 4 | In4.Cu | Dielectric 5 | B.Cu | B.Mask | B.Paste | B.Silkscreen | Top Silk Screen | Top Solder Paste | Top Solder Mask | copper | prepreg | core | Bottom Solder Mask | Bottom Solder Paste | Bottom Silk Screen | Not specified | PR2116 | FR4-Improved | PR1080 | 0 mm | 0.01 mm | 0.035 mm | 0.12 mm | 0.51 mm | 0.07 mm | 1 | 3.3 | 4.2 | 4.5 | Layer Name | Type | Material | Thickness (mm) | Epsilon R
Top: CM4 Baseboard | Rev. ${REVISION} 01/2026
F.Mask: CM4 Baseboard | Rev. ${REVISION} 01/2026
F.Silkscreen: A | B | .USB | SENS. | LED | PCB SHA: ######## | +1V8 | V_{IO} | NFC | +3V3 | +5V | USBD_{SUSP} | CM_{PWR} | CM_{ACT} | V_{IN} | USBD_{PEN} | GND | LED_{USER} | ACT_{SSD} | V_{SSD} | PWR_{IN} | ETH+PoE | USB_{DBG+PD} | USB_{APP} | HDMI | CM_{WAKE} | GPIO | CM_{RST} | CM_{BOOT}
User.8: LVDS adapter module
